# Altium PCB LinuxMini_ExtraBoard.PcbDoc (part 3 of 3)
Units mil, origin at the board's own origin, x right, y up, seen from the top; angles counter-clockwise.
Board outline 8065 x 5740 mil, 2 copper layers (Top Layer, Bottom Layer); 249 components, 216 nets, 879 pads, 804 vias.
Unrouted connection lines stored in the file: 73.
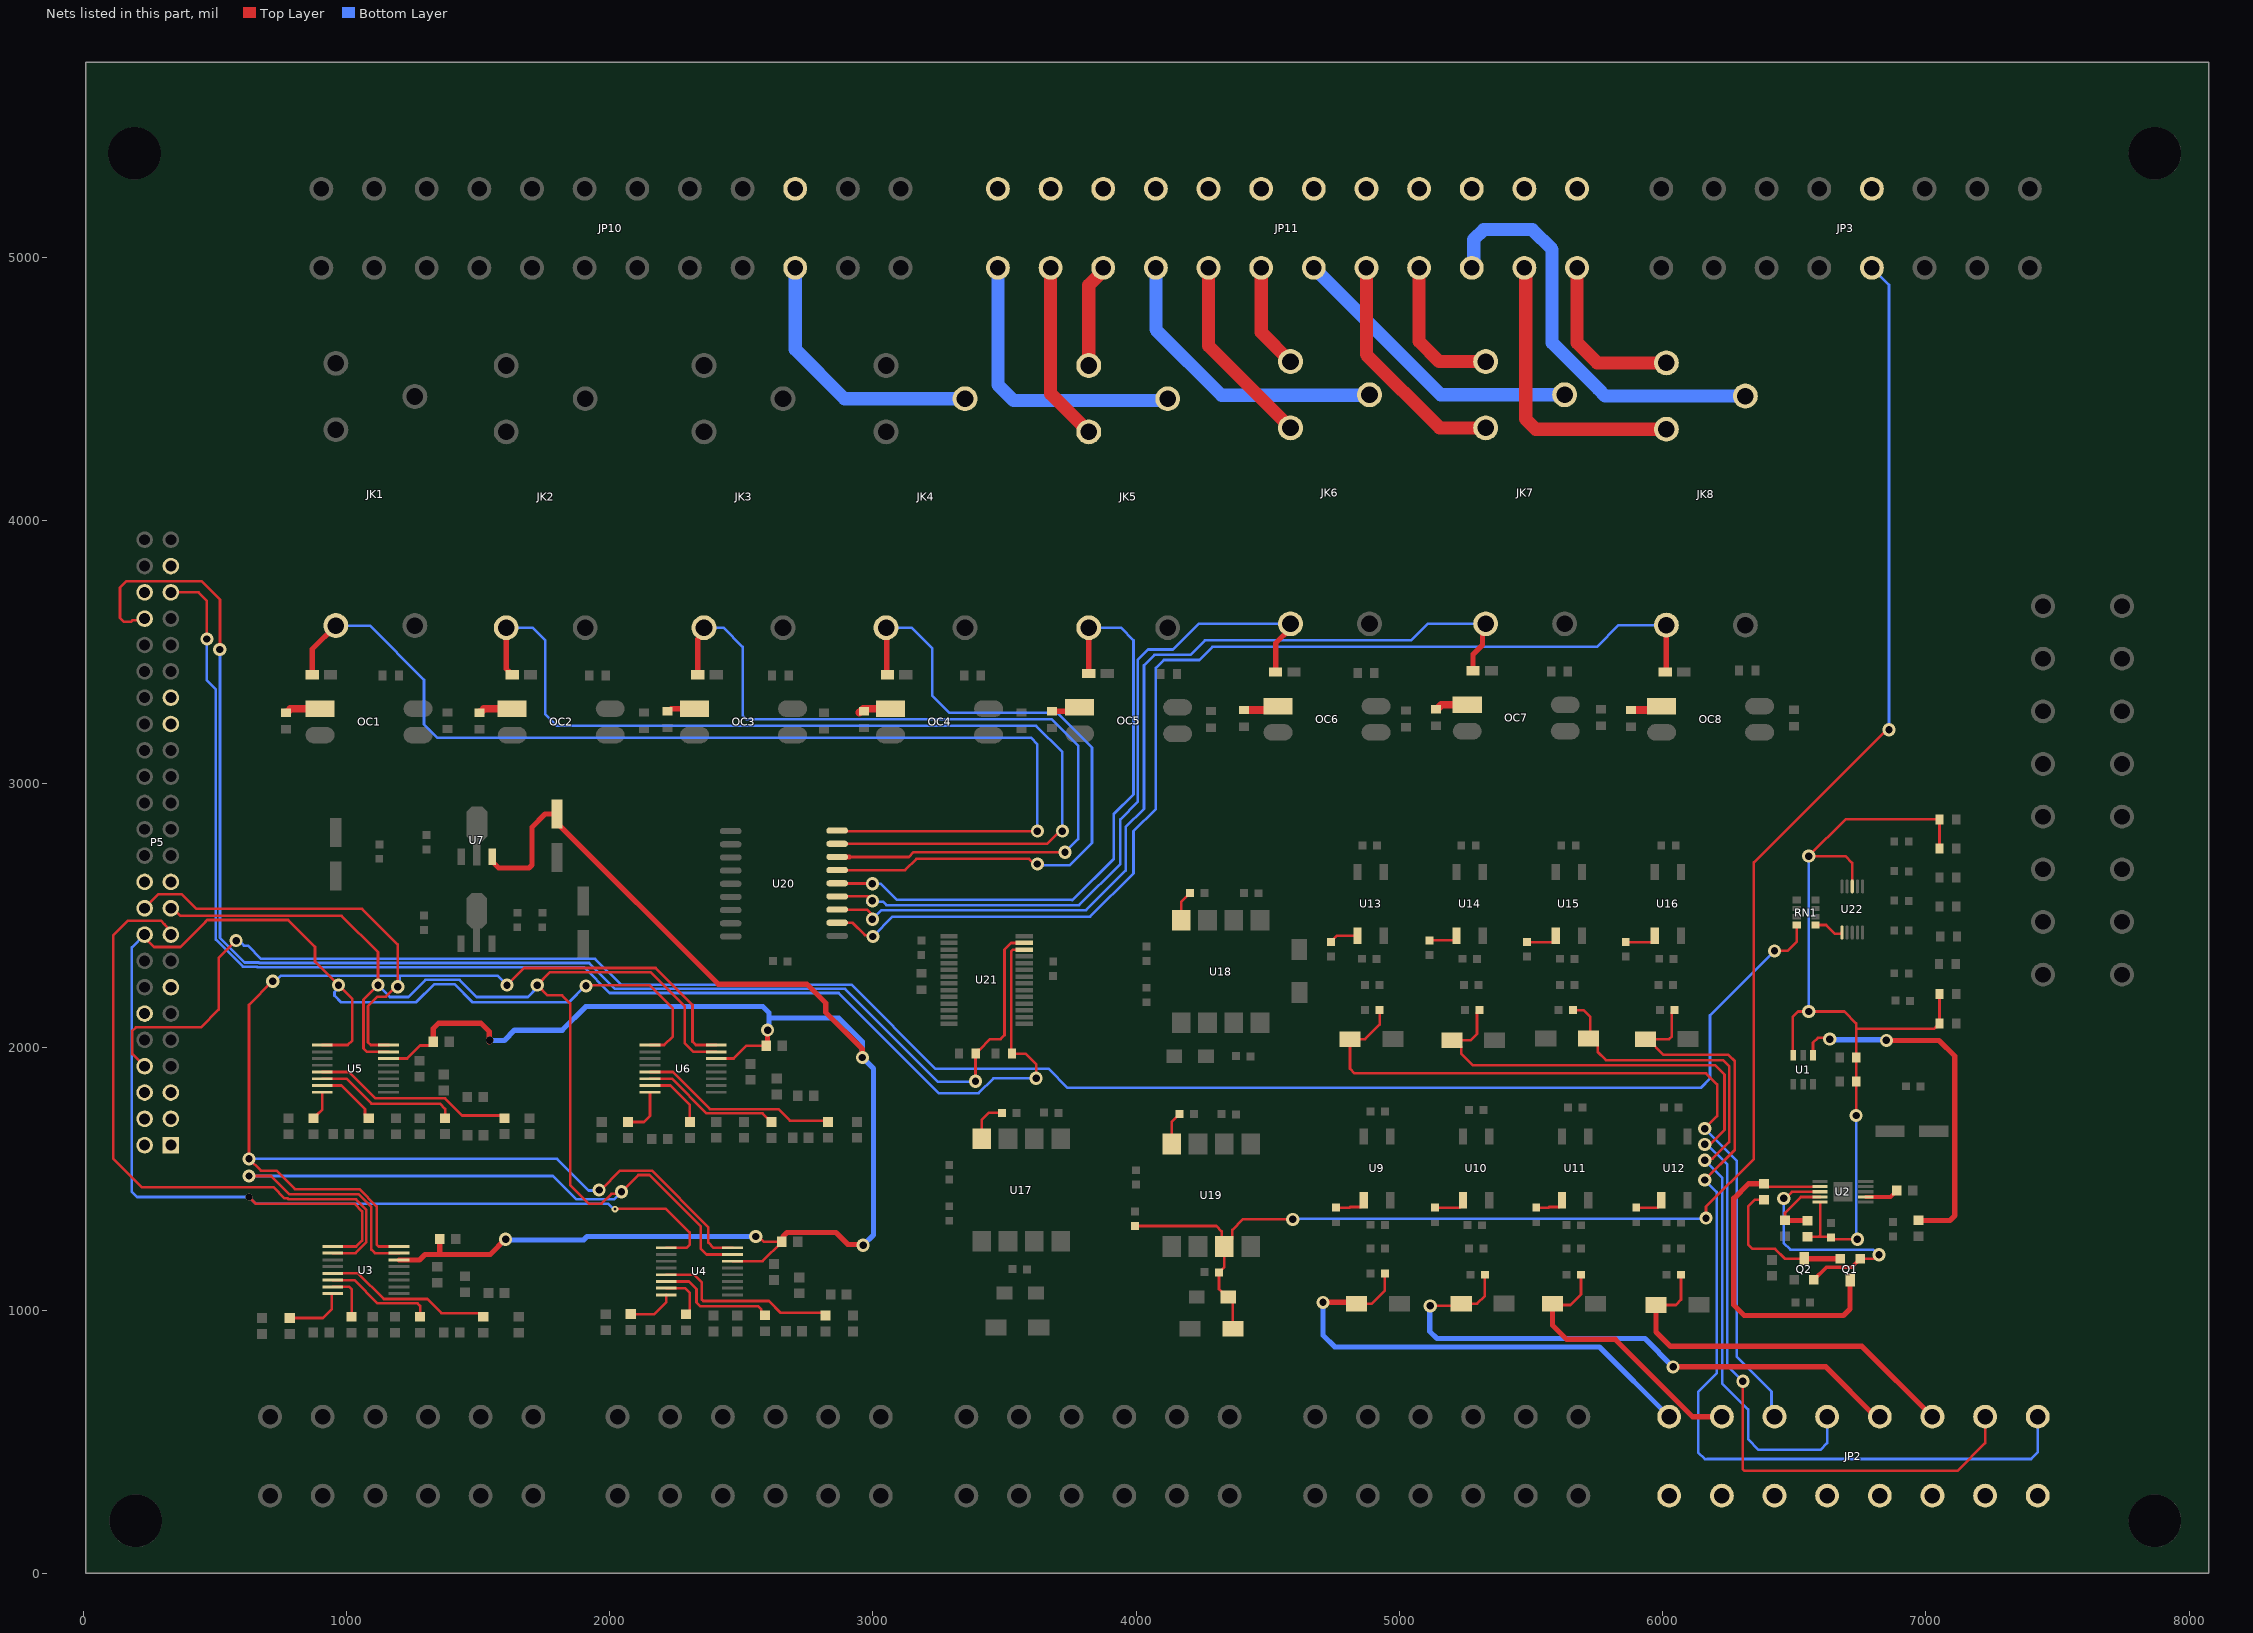
[diagram p3: the nets of this part, all layers, seen from the top]

## Via types
v1: diameter 20, hole 8, Top Layer to Bottom Layer, 497 vias
v2: diameter 50, hole 28, Top Layer to Bottom Layer, 155 vias
v3: diameter 25, hole 12, Top Layer to Bottom Layer, 142 vias
v4: diameter 28, hole 28, Top Layer to Bottom Layer, 4 vias
v5: diameter 17, hole 10, Top Layer to Bottom Layer, 2 vias
v6: diameter 18, hole 10, Top Layer to Bottom Layer, 2 vias
v7: diameter 25, hole 10, Top Layer to Bottom Layer, 1 vias
v8: diameter 50, hole 25, Top Layer to Bottom Layer, 1 vias

## Nets (pads, with @x,y where several pads share a name; then routed paths per layer and width w, separated by ;. In a path a pad name is that pad's centre, name@x,y a point inside that pad or via, vN(x,y) a via of type N, cw(c..) or ccw(c..) an arc to the next point about the centre after c; other vN are vias at no path point) (continued)
NetJK4_5: JK4.5 JP10.3 | length 1032.6
  Bottom Layer w50: JP10.3@2705,4960 2705,4650 2892.24,4462.76 JK4.5@3350,4462.76
NetJK5_1: JK5.1 JP11.10 | length 394
  Top Layer w50: JK5.1@3820,4588.74 3820,4894.03 3875,4949.03 JP11.10@3875,4960
NetJK5_2: JK5.2 JP11.11 | length 683.3
  Top Layer w50: JP11.11@3675,4960 3675,4481.77 JK5.2@3820,4336.77
NetJK5_5: JK5.5 JP11.12 | length 1117.5
  Bottom Layer w50: JP11.12@3475,4960 3475,4515 3534.29,4455.71 4112.95,4455.71 JK5.5@4120,4462.76
NetJK6_1: JK6.1 JP11.7 | length 402.4
  Top Layer w50: JP11.7@4475,4960 4475,4715.17 JK6.1@4586.43,4603.74
NetJK6_2: JK6.2 JP11.8 | length 737.2
  Top Layer w50: JP11.8@4275,4960 4275,4663.2 JK6.2@4586.43,4351.77
NetJK6_5: JK6.5 JP11.9 | length 1150.5
  Bottom Layer w50: JP11.9@4075,4960 4075,4725 4324.29,4475.71 4884.38,4475.71 JK6.5@4886.43,4477.76
NetJK7_1: JK7.1 JP11.4 | length 564.4
  Top Layer w50: JP11.4@5075,4960 5075,4680 5151.26,4603.74 JK7.1@5327.86,4603.74
NetJK7_2: JK7.2 JP11.5 | length 898.1
  Top Layer w50: JP11.5@4875,4960 4875,4630 5153.23,4351.77 JK7.2@5327.86,4351.77
NetJK7_5: JK7.5 JP11.6 | length 1152.6
  Bottom Layer w50: JP11.6@4675,4960 5157.24,4477.76 JK7.5@5627.86,4477.76
NetJK8_1: JK8.1 JP11.1 | length 655.9
  Top Layer w50: JP11.1@5675,4960 5675,4675 5751.26,4598.74 JK8.1@6014.29,4598.74
NetJK8_2: JK8.2 JP11.2 | length 1127.2
  Top Layer w50: JP11.2@5475,4960 5480,4955 5480,4385 5518.23,4346.77 JK8.2@6014.29,4346.77
NetJK8_5: JK8.5 JP11.3 | length 1627.8
  Bottom Layer w50: JP11.3@5275,4960 5282.76,4967.76 5282.76,5067.76 5320,5105 5505,5105 5580,5030 5580,4675 5755.05,4499.95 5782.24,4472.76 JK8.5@6314.28,4472.76
NetOC1_1: OC1.1 R66.1 | length 136.2
  Top Layer w30: R66.1@770,3270 773.25,3270 788.25,3285 OC1.1@900,3285
NetOC2_1: OC2.1 R68.1 | length 131.2
  Top Layer w30: R68.1@1505,3270 1508.25,3270 1523.25,3285 OC2.1@1630,3285
NetOC3_1: OC3.1 R78.1 | length 107
  Top Layer w20: R78.1@2220,3275 2223.25,3275 2233.25,3285 OC3.1@2322.88,3285
NetOC4_1: OC4.1 R80.1 | length 125.1
  Top Layer w30: R80.1@2948.25,3270 2963.25,3285 OC4.1@3067.15,3285
NetOC5_1: OC5.1 R82.1 | length 111.9
  Top Layer w20: R82.1@3680,3275 3770.72,3275 OC5.1@3785.72,3290
NetOC6_1: OC6.1 R84.1 | length 135.5
  Top Layer w30: R84.1@4410,3280 4410.75,3280.75 4525.04,3280.75 OC6.1@4539.3,3295
NetOC7_1: OC7.1 R86.1 | length 124.9
  Top Layer w30: R86.1@5140,3282.99 5143.25,3282.99 5160.26,3300 OC7.1@5257.87,3300
NetOC8_1: OC8.1 R88.1 | length 122.7
  Top Layer w30: R88.1@5880,3280 5880.75,3280.75 5982.19,3280.75 OC8.1@5996.44,3295
NetQ1_1: Q1.1 Q2.2 U2.3 | length 985.6
  Top Layer w10: v2(6460,1425) 6466.68,1425 6491.62,1449.95 U2.3@6598.37,1449.95 ; Q1.1@6750,1195 6799.18,1195 6815.18,1211 v2(6822.17,1211)
  Top Layer w15: Q2.2@6575,1116.04 6622.25,1163.29 6718.29,1163.29 Q1.1@6750,1195
  Bottom Layer w10: v2(6460,1425) 6460,1255 6485,1230 6799.14,1230 6818.14,1211 v2(6822.17,1211)
NetQ1_2: Q1.2 Q2.3 R3.2 | length 587.9
  Top Layer w10: R3.2@6385,1419.37 6349.37,1419.37 6325,1395 6325,1250 6341.73,1233.27 6426.73,1233.27 6463.96,1196.04 Q2.3@6538,1196.04
  Top Layer w20: Q2.3@6538,1196.04 6538.52,1195.52 6674.48,1195.52 Q1.2@6675,1195
NetQ1_3: Q1.3 R3.1 U2.2 | length 1339.3
  Top Layer w10: R3.1@6385,1480 6395.37,1469.63 U2.2@6598.37,1469.63
  Top Layer w20: 6270.5,1425.5 6270,1425 6270,1020 6310,980 6687,980 6712,1005 Q1.3@6712,1115 ; 6271,1425 6326.63,1480.63 R3.1@6385,1480.63
NetR9_2: R9.2 U3.8 | length 235.2
  Top Layer w10: R9.2@785,970.63 910.63,970.63 945,1005 945,1062.72 945.51,1063.23 U3.8@948.03,1063.23
NetR10_2: R10.2 U4.8 | length 182.1
  Top Layer w10: R10.2@2080,985.63 2080.63,985 2170,985 2215,1030 U4.8@2215,1058.23
NetR11_2: R11.2 U3.7 | length 180.3
  Top Layer w10: U3.7@948.03,1088.82 1011.18,1088.82 1020,1080 R11.2@1020,975.32
NetR12_2: R12.2 U4.7 | length 184.6
  Top Layer w10: U4.7@2215,1083.82 2286.18,1083.82 2305,1065 2305,1000 2304.29,999.29 2304.29,998.31 2290.98,985 R12.2@2290,985
NetR13_2: R13.2 U3.6 | length 413.7
  Top Layer w10: U3.6@948.03,1114.41 1030.59,1114.41 1118.5,1026.5 1270,1026.5 1280,1016.5 R13.2@1280,975.32
NetR14_2: R14.2 U4.6 | length 463.7
  Top Layer w10: U4.6@2215,1109.41 2300.59,1109.41 2330,1080 2330,1030 2345,1015 2565,1015 2575.71,1004.29 2575.71,993.94 2589.02,980.63 R14.2@2590,980.63
NetR15_2: R15.2 U3.5 | length 640.2
  Top Layer w10: U3.5@948.03,1140 1045,1140 1142.5,1042.5 1307.5,1042.5 1361.38,988.62 1506.69,988.62 R15.2@1520,975.32
NetR16_2: R16.2 U4.5 | length 706.8
  Top Layer w10: U4.5@2215,1135 2320,1135 2350,1105 2350,1040.86 2355.86,1035 2605,1035 2650,990 2810,990 R16.2@2820,980
NetR17_2: R17.2 U5.8 | length 113
  Top Layer w10: R17.2@875,1729.65 875.98,1729.65 889.29,1742.95 889.29,1743.94 908.37,1763.02 U5.8@908.37,1828.23
NetR18_2: R18.2 U6.8 | length 182.9
  Top Layer w10: R18.2@2070,1715 2130,1715 2153.37,1738.37 U6.8@2153.37,1828.23
NetR19_2: R19.2 U5.7 | length 240.6
  Top Layer w10: U5.7@908.37,1853.82 981.18,1853.82 1070.71,1764.29 1070.71,1742.95 1084.02,1729.65 R19.2@1085,1729.65
NetR20_2: R20.2 U6.7 | length 247.2
  Top Layer w10: U6.7@2153.37,1853.82 2231.18,1853.82 2305,1780 R20.2@2305,1715
NetR21_2: R21.2 U5.6 | length 549.5
  Top Layer w10: U5.6@908.37,1879.41 908.88,1879.92 962.74,1879.92 962.82,1880 1000,1880 1095,1785 1355,1785 1375,1765 R21.2@1375,1730
NetR22_2: R22.2 U6.6 | length 529.7
  Top Layer w10: U6.6@2153.37,1879.41 2236.8,1879.41 2368.21,1748 2581.02,1748 2614.02,1715 R22.2@2615,1715
NetR23_2: R23.2 U5.5 | length 764.1
  Top Layer w10: U5.5@908.37,1905 1010,1905 1110,1805 1375,1805 1440,1740 1590,1740 R23.2@1600,1730
NetR24_2: R24.2 U6.5 | length 755.2
  Top Layer w10: U6.5@2153.37,1905 2240,1905 2381,1764 2641,1764 2685,1720 2825.32,1720 R24.2@2830,1715.32
NetR26_2: R26.2 U9.1 | length 125.3
  Top Layer w10: R26.2@4760,1390 4811.09,1390 4813.16,1392.06 4854.25,1392.06 4865,1402.81 U9.1@4865,1417.77
NetR29_2: R29.2 U10.1 | length 126.7
  Top Layer w10: R29.2@5135,1390 5228.62,1390 5241.43,1402.81 U10.1@5241.43,1417.77
NetR34_2: R34.2 U11.1 | length 118.1
  Top Layer w10: R34.2@5520,1390 5567.52,1390 5569.59,1392.06 5607.11,1392.06 5617.86,1402.81 U11.1@5617.86,1417.77
NetR37_2: R37.2 U12.1 | length 114.6
  Top Layer w10: R37.2@5900,1390 5981.47,1390 5994.29,1402.81 U12.1@5994.29,1417.77
NetR42_2: R42.2 U13.1 | length 125.1
  Top Layer w10: R42.2@4740,2400 4762.77,2422.77 U13.1@4840.71,2422.77 U13.1@4840.71,2437.73
NetR45_2: R45.2 U14.1 | length 113.6
  Top Layer w10: R45.2@5115,2405 5206.39,2405 5217.14,2415.75 U14.1@5217.14,2422.77
NetR50_2: R50.2 U15.1 | length 126.8
  Top Layer w10: R50.2@5485,2398.23 5582.82,2398.23 5593.57,2408.98 U15.1@5593.57,2422.77
NetR54_2: R54.2 U16.1 | length 128.2
  Top Layer w10: R54.2@5860,2398.23 5959.25,2398.23 5970,2408.98 U16.1@5970,2422.77
ON_OFF: P5.2
REGF: C4.2 R1.2 R2.2 R5.1 R93.2 R94.2 R99.2 R100.2 U1.3 U2.5 U22.8 | length 3524.6
  Top Layer w10: U1.3@6496.61,1968.82 6495,1970.42 6495,2105 6494.14,2105.86 6494.14,2114.14 6515,2135 v2(6555,2135) 6690,2135 6735.49,2089.51 6735.49,2072.26 ; R5.1@6550,1279.37 6593.04,1279.37 ; U2.5@6598.36,1410.57 6598.36,1284.69 6593.04,1279.37 ; U22.8@6720.31,2610 6720.31,2699.68 6695,2725 v2(6555,2725) 6695,2865 R100.2@7052.01,2865 R99.2@7052.01,2754.29 ; v2(6735,1740) 6735,1869.4 R1.2@6735.49,1869.89 R2.2@6735.49,1959.89 6735.49,2072.26 ; v2(6740,1270) 6645.46,1270 C4.2@6639,1276.46 6636.09,1279.37 6593.04,1279.37 ; R94.2@7052.01,2200.71 R93.2@7052.01,2090 7052.01,2086.75 7041.26,2076 7038.01,2076 7031.01,2069 6738.74,2069 6735.49,2072.26
  Bottom Layer w10: v2(6555,2135) v2(6555,2725) ; v2(6735,1740) 6735,1275 v2(6740,1270)
REGS: R5.2 R6.1 U2.4 | length 272.8
  Top Layer w10: R6.1@6464.88,1341.2 6464.88,1369.88 6525.26,1430.26 U2.4@6598.37,1430.26
  Top Layer w20: R6.1@6464.88,1341.2 6465.48,1340.6 6549.4,1340.6 R5.2@6550,1340
RELY1: D5.2 JK1.3 U20.18 | length 4264.1
  Top Layer w10: U20.18@2864.38,2822 2866.38,2820 3620,2820 v2@3625,2825
  Top Layer w20: D5.2@870,3414 870,3510.9 JK1.3@960,3600.91
  Bottom Layer w10: JK1.3@960,3600.91 1089.09,3600.91 1295,3395 1295,3225 1345,3175 3600,3175 3625,3150 v2@3625,2825
  other v2: 3625,2820
RELY2: D6.2 JK2.3 U20.17 | length 3835.1
  Top Layer w10: U20.17@2864.38,2772 3662,2772 v2@3720,2830
  Top Layer w20: JK2.3@1607.14,3592.68 1607.14,3436.86 1620,3424 1620,3416.5 1622.5,3414 D6.2@1630,3414
  Bottom Layer w10: JK2.3@1607.14,3592.68 1707.68,3592.68 1755,3545.35 1755,3265 1800,3220 3620,3220 3720,3120 v2@3720,2830
  other v2: 3720,2820
RELY3: D7.2 JK3.3 U20.16 | length 3246.4
  Top Layer w10: 2910,2722 3137,2722 3155,2740 v2(3730,2740)
  Top Layer w20: D7.2@2335,3414 2335,3548.95 2358.57,3572.52 JK3.3@2358.57,3592.68 ; U20.16@2864.38,2722 2910,2722
  Bottom Layer w10: JK3.3@2358.57,3592.68 2432.32,3592.68 2505,3520 2505,3260 2520,3245 3680,3245 3780,3145 3780,2790 v2(3730,2740)
RELY4: D8.2 JK4.3 U20.15 | length 2691.2
  Top Layer w10: U20.15@2864.38,2672 3122,2672 3165,2715 3593.43,2715 3618.43,2690 v2@3625,2690 ; v2@3624.18,2697.65 v2@3637.35,2697.65 ; v2@3642.65,2700 3645,2697.65 v2@3637.35,2697.65 ; v2@3645,2690 v2@3637.35,2697.65
  Top Layer w20: JK4.3@3050,3592.68 3052.5,3590.18 3052.5,3416.5 D8.2@3055,3414
  Bottom Layer w10: JK4.3@3050,3592.68 3147.32,3592.68 3225,3515 3225,3335 3290,3270 3700,3270 3832.5,3137.5 3832.5,2775 3747.5,2690 3625,2690 v2@3620,2690
  other v2: 3625,2695
RELY5: D9.2 JK5.3 U20.14 | length 2367.1
  Top Layer w10: U20.14@2864.38,2622 2865.38,2621 2997,2621 v2(2998,2620)
  Top Layer w20: D9.2@3820,3419 JK5.3@3820,3592.68
  Bottom Layer w10: v2(2998,2620) 3030,2620 3090,2560 3755,2560 3757.5,2557.5 3915,2715 3915,2885 3990,2960 3990,3545 3942.32,3592.68 JK5.3@3820,3592.68
RELY6: D10.2 JK6.3 U20.13 | length 2835.2
  Top Layer w10: U20.13@2864.38,2572 v2@2997.18,2572 ; v2@2978,2555 v2@2988.82,2555 ; 2978,2572 v2@2995,2555
  Top Layer w20: D10.2@4530,3424 4530,3533.79 4586.43,3590.23 JK6.3@4586.43,3607.68
  Bottom Layer w10: v2@2978,2548.28 v2@2978,2555 ; v2(2998,2555) 3001,2552 3038,2552 3051.5,2538.5 3783.5,2538.5 3940,2695 3940,2865 4006,2931 4006,3470.56 4045.44,3510 4140,3510 4237.68,3607.68 JK6.3@4586.43,3607.68
RELY7: D11.2 JK7.3 U20.12 | length 3575.2
  Top Layer w10: U20.12@2864.38,2522 2978,2522 v2@3015,2485
  Top Layer w20: D11.2@5280,3429 5280,3491.5 5315.52,3527.02 5315.52,3595.34 JK7.3@5327.86,3607.68
  Bottom Layer w10: v2(2998,2485) 3033,2520 3810,2520 3960,2670 3960,2835 4030,2905 4030,3450 4070,3490 4206.21,3490 4261.21,3545 5045,3545 5107.68,3607.68 JK7.3@5327.86,3607.68
RELY8: D12.2 JK8.3 U20.11 | length 4250
  Top Layer w10: U20.11@2864.38,2472 2923,2472 2970,2425 2995,2425 v2(3000,2420)
  Top Layer w20: D12.2@6010,3424 6011.79,3424 6014.29,3426.5 JK8.3@6014.29,3602.68
  Bottom Layer w10: v2(3000,2420) 3075,2495 3825,2495 3990,2660 3990,2820 4075,2905 4075,3440 4105,3470 4240,3470 4290,3520 5750,3520 5832.68,3602.68 JK8.3@6014.29,3602.68
SCLK: RN1.1 U22.1 | length 118.3
  Top Layer w10: RN1.1@6580.86,2463.51 6621.49,2463.51 6655,2430 6680.11,2430 6680.94,2430.84 U22.1@6680.94,2434.8
SET: R7.2 U2.7 | length 129.2
  Top Layer w15: U2.7@6771.66,1430.26 6865.26,1430.26 6878.21,1443.21 6879.19,1443.21 6890,1454.02 R7.2@6890,1455
SNVS_TAMPER0: P5.3
SNVS_TAMPER2: P5.8 RN1.8 | length 7398.8
  Top Layer w10: P5.8@233.39,1927.05 187,1973.43 187,2062 200,2075 447.5,2075 515,2142.5 515,2338 v2(581,2404) ; v2(6425,2365) 6475,2365 6510,2400 RN1.8@6510,2463.51
  Bottom Layer w10: v2(581,2404) 591.82,2404 610.89,2384.93 625.57,2384.93 675.5,2335 1945.15,2335 2043.15,2237 2918,2237 3238,1917 3668.15,1917 3740.15,1845 6144.85,1845 6180,1880.15 6180,2120 v2(6425,2365)
SNVS_TAMPER4: P5.1
SNVS_TAMPER5: P5.6
SNVS_TAMPER7: P5.5
SNVS_TAMPER8: P5.4
UART1_RXD: P5.13
UART1_TXD: P5.12
UART2_CTS: P5.20 U3.16 U4.16 U5.16 U6.16 | length 7161.3
  Top Layer w10: P5.20@233.39,2527.05 P5.20@233.39,2528.39 ; P5.20@233.39,2541.39 P5.20@233.39,2528.39 ; v2(720,2250) 630,2160 v2(630,1575) 675,1530 735,1530 805,1460 1050,1460 1115,1395 1115,1250 1122.64,1242.36 U3.16@1200,1242.36 ; U5.16@1160.34,2007.36 1092.64,2007.36 1082.25,2017.75 1082.25,2155 1118.42,2191.17 1151.17,2191.17 1189,2229 v2(1195,2229) ; v2@1192,2232 1195,2235 1195,2390 1060,2525 430,2525 375,2580 285,2580 P5.20@233.39,2528.39 ; v2(1610,2235) 1675,2300 2175,2300 2315,2160 2315,2020 2327.64,2007.36 U6.16@2405.34,2007.36 ; v2(1960,1457) 1967,1457 2040,1530 2160,1530 2375,1315 2375,1257.36 2395,1237.36 U4.16@2466.97,1237.36
  Bottom Layer w10: v2(630,1575) 1800,1575 1920,1455 1958,1455 v2(1960,1457) ; v2(720,2250) 730.43,2250 751.43,2271 1205,2271 ; v2(1195,2229) 1202.65,2236.65 1202.65,2268.65 1205,2271 ; v2(1610,2235) 1574,2271 1205,2271
UART2_RTS: P5.19 U3.15 U4.15 U5.15 U6.15 | length 6914.3
  Top Layer w10: P5.19@333.39,2527.05 341.96,2527.05 370.55,2498.45 981.55,2498.45 1120,2360 v2(1120,2235) 1065,2180 1065,1995 1078.23,1981.77 U5.15@1160.34,1981.77 ; v2(630,1510) 714.5,1510 784.5,1440 1047.37,1440 1095,1392.37 1095,1230 1108.23,1216.77 U3.15@1200,1216.77 ; U6.15@2405.34,1981.77 2318.23,1981.77 2285,2015 2285,2155 2156,2284 1774,2284 v2(1725,2235) 1763.83,2196.17 1818.83,2196.17 1850,2165 1850,1475 1920,1405 1969.18,1405 2006.52,1442.35 2037.35,1442.35 v2(2045,1450) 2109,1514 2151,1514 2346.43,1318.57 2346.43,1233.57 2368.23,1211.77 U4.15@2466.97,1211.77
  Bottom Layer w10: v2(630,1510) 1785,1510 1874,1421 2016,1421 v2(2045,1450) ; v2(1120,2235) 1165,2190 1235,2190 1300,2255 1430,2255 1495,2190 1689.14,2190 1725,2225.86 v2(1725,2235)
UART2_RXD: P5.18 U3.1 U4.1 U5.1 U6.1 | length 6967.1
  Top Layer w10: P5.18@233.39,2427.05 233.39,2416.61 270,2380 370,2380 465,2475 465,2476.6 470.86,2482.45 778.46,2482.45 880.74,2380.17 880.74,2324.26 v2(970,2235) 1022.5,2182.5 1022.5,2024.93 1004.94,2007.36 U5.1@908.37,2007.36 ; v4(630,1430) 655,1405 1030,1405 1060,1375 1060,1265 1037.36,1242.36 U3.1@948.03,1242.36 ; v2(1910,2232) 1913,2235 2151.01,2235 2240,2146.01 2240,2040 2207.36,2007.36 U6.1@2153.37,2007.36 ; v7(2020.41,1384.41) 2021,1385 2213.79,1385 2303.68,1295.11 2303.68,1248.68 2292.36,1237.36 U4.1@2215,1237.36
  Bottom Layer w10: P5.18@233.39,2427.05 185,2378.66 185,1450 205,1430 v4(630,1430) 655,1405 1994.55,1405 2015.15,1384.41 v7(2020.41,1384.41) ; v2(970,2235) 970,2224.18 955,2209.18 955,2195 980,2170 1265,2170 1334,2239 1410,2239 1479,2170 1845,2170 1907,2232 v2(1910,2232)
UART2_TXD: P5.17 U3.2 | length 2431.2
  Top Layer w10: P5.17@333.39,2427.05 333.39,2441.39 309.1,2465.67 309.1,2465.9 295,2480 170,2480 115,2425 115,1575 222.5,1467.5 722.5,1467.5 765,1425 776.87,1425 780.87,1421 1036.63,1421 1076,1381.63 1076,1258.37 1034.4,1216.77 U3.2@948.03,1216.77
UART3_CTS: P5.21
UART3_RTS: P5.22
UART3_RXD: P5.35
UART3_TXD: P5.33
UART4_RXD: P5.42 R90.1 U21.13 | length 5678.5
  Top Layer w10: P5.42@233.39,3627.05 227.23,3620.89 186.89,3620.89 181,3615 155,3615 140,3630 140,3745 164.54,3769.54 450.46,3769.54 520,3700 520,3511 v2(519,3510) ; v2(3390,1870) 3390,1974.55 R90.1@3390.43,1974.98 3390.43,1978.23 3401.18,1988.98 3404.43,1988.98 3445.45,2030 3485,2030 3500,2045 3500,2370 3525.31,2395.31 U21.13@3575,2395.31
  Bottom Layer w10: v2(519,3510) 520,3509 520,2414.09 613.09,2321 666.63,2321 668.63,2319 1922,2319 2020,2221 2895,2221 3248.1,1867.9 3387.9,1867.9 v2(3390,1870)
UART4_TXD: P5.43 R91.1 U21.12 | length 5435.4
  Top Layer w10: P5.43@333.39,3727.05 437.95,3727.05 470,3695 v2(470,3550) ; U21.12@3575,2369.72 3531.86,2369.72 3526,2363.87 3526,1977.41 R91.1@3528.43,1974.98 3580.02,1974.98 3620,1935 v2(3620,1881)
  Bottom Layer w10: v2(470,3550) 470,3392.63 503.73,3358.9 503.73,2407.73 606.46,2305 660,2305 662,2303 1902,2303 2000,2205 2870,2205 3250,1825 3401.59,1825 3457.59,1881 v2(3620,1881)
UART5_RXD: P5.44
UART5_TXD: P5.45
VCC: C10.1 C14.1 C30.1 C35.1 C48.1 U3.14 U4.14 U5.14 U6.14 U7.3 | length 7334.2
  Top Layer w10: U5.14@1160.34,1956.18 1230.94,1956.18 1280.46,2005.71 1316.69,2005.71 1330,2019.02 C30.1@1330,2020 ; U6.14@2405.34,1956.18 2471.18,1956.18 2520,2005 C35.1@2595,2005 ; U4.14@2466.97,1186.18 2581.54,1186.18 2654.37,1259.02 C14.1@2654.37,1260 2585.82,1260 2565.82,1280 v2(2555,1280)
  Top Layer w20: U3.14@1200,1191.18 1277.78,1191.18 1298.3,1211.7 1546.7,1211.7 v2(1605,1270) ; C30.1@1330,2020 1330,2070 1350,2090 1511,2090 1542.5,2058.5 v4@1542.5,2020 ; 1354.37,1212.33 C10.1@1354.37,1270 ; U7.3@1554.06,2722.61 1554.06,2704.9 1578.95,2680 1693.28,2680 1705,2691.72 1705,2835 1755,2885 C48.1@1800,2885 1800,2851.54 2413.04,2238.5 2750,2238.5 2821.05,2167.45 2821.05,2130.96 2960,1992.02 v2(2960,1960) ; 2600,2025 v2(2600,2064) ; C14.1@2654.37,1260 2659.08,1264.71 2659.08,1280 2674.37,1295.29 2739.93,1295.29 2740.23,1295 2860,1295 2905,1250 2960,1250 v2(2962.98,1247.02)
  Bottom Layer w20: v4(1545,2025) 1600,2025 1639,2064 1820,2064 1909.5,2153.5 2581.5,2153.5 2605,2130 2605,2110 ; v2(1605,1270) 1608.5,1266.5 1901.19,1266.5 1914.69,1280 v2(2555,1280) ; v2(2600,2064) 2605,2069 2605,2110 ; v2(2962.98,1247.02) 3002,1286.03 3002,1918 v2(2960,1960) 2960,2020 2870,2110 2605,2110
Vout: R4.2 U1.1 | length 1423.6
  Top Layer w10: U1.1@6571.4,1968.82 6571.4,2016.4 6590,2035 6630,2035 v2(6635,2030)
  Top Layer w20: v2(6850,2025) 7050,2025 7110,1965 7110,1360 7091.2,1341.2 R4.2@6972.04,1341.2
  Bottom Layer w10: v2(6635,2030) 6685,2030
  Bottom Layer w20: v2(6635,2030) 6637.5,2027.5 6847.5,2027.5 v2(6850,2025)
X10: JP2.1 R25.1 TVS1.2 | length 1891.3
  Top Layer w10: TVS1.2@4837.56,1024.49 4894.49,1024.49 4945,1075 R25.1@4945,1140
  Top Layer w20: v2(4710,1030) 4832.05,1030 TVS1.2@4837.56,1024.49
  Bottom Layer w20: v2(4710,1030) 4710,905 4755,860 5760.64,860 JP2.1@6025,595.64
X11: JP2.2 R33.1 TVS3.2 | length 1069.8
  Top Layer w10: TVS3.2@5582,1024.49 5586.49,1020 5650,1020 5690,1060 R33.1@5690,1135
  Top Layer w20: TVS3.2@5582,1024.49 5582,943 5635,890 5819.64,890 6114,595.64 JP2.2@6225,595.64
X12: JP2.3 R41.1 TVS5.2 | length 3113.6
  Top Layer w10: R41.1@4925,2140 4925,2085 4869.49,2029.49 TVS5.2@4812.56,2029.49 4812.56,1917.44 4830,1900 6165,1900 6207.5,1857.5 6207.5,1737.5 v2(6160,1690)
  Bottom Layer w10: v2(6160,1690) 6281.57,1568.43 6281.57,823.43 6413.43,691.57 6413.43,607.21 JP2.3@6425,595.64
X13: JP2.4 R49.1 TVS7.2 | length 2734
  Top Layer w10: R49.1@5660,2140 5700,2140 5725,2115 5725,2038.91 TVS7.2@5718.6,2032.51 5728.6,2032.51 5753.6,2007.51 5753.6,1981.4 5785,1950 6230,1950 6253.03,1926.97 6253.03,1638.89 6190,1575.86 6165.86,1575.86 v2(6160,1570)
  Bottom Layer w10: v2@6160,1585 v2(6160,1570) 6226,1504 6226,722.28 6325,623.28 6325,510 6365,470 6599.14,470 6625,495.86 JP2.4@6625,595.64
X14: JP2.5 R28.1 TVS2.2 | length 2245.6
  Top Layer w10: v2(5117.29,1016.69) 5226.69,1016.69 TVS2.2@5235,1025 5295,1025 5325,1055 R28.1@5325,1135
  Top Layer w20: v2(6040,785) 6620,785 6809.36,595.64 JP2.5@6825,595.64
  Bottom Layer w20: v2(5117.29,1016.69) 5115,1014.4 5115,920 5142.5,892.5 5932.5,892.5 v2(6040,785)
X15: JP2.6 R36.1 TVS4.2 | length 1483.9
  Top Layer w10: TVS4.2@5975,1020 6050,1020 6070,1040 R36.1@6070,1135
  Top Layer w20: TVS4.2@5975,1020 5975,917.82 6030,862.82 6757.82,862.82 JP2.6@7025,595.64
X16: JP2.7 R44.1 TVS6.2 | length 3972.4
  Top Layer w10: TVS6.2@5199.56,2025.49 TVS6.2@5209.56,2025.49 ; R44.1@5305,2140 5295,2130 5295,2050 5270.49,2025.49 TVS6.2@5209.56,2025.49 ; v2(6160,1630) 6180,1630 6235,1685 6235,1895 6200,1930 5280,1930 5234.56,1975.44 5234.56,2000.49 TVS6.2@5209.56,2025.49 ; v2(6305,730) 6305,395.86 6310.86,390 7120,390 7225,495 JP2.7@7225,595.64
  Bottom Layer w10: v2@6160,1640 6245,1555 6245,790 v2(6305,730)
X17: JP2.8 R53.1 TVS8.2 | length 3597.6
  Top Layer w10: TVS8.2@5934.15,2029.49 TVS8.2@5944.15,2029.49 ; R53.1@6045,2130 6035,2130 6035,2040 6024.49,2029.49 TVS8.2@5944.15,2029.49 ; v2(6160,1495) 6274,1609 6274,1946 6250,1970 6003.63,1970 TVS8.2@5944.15,2029.49
  Bottom Layer w10: v2(6160,1495) 6205,1450 6205,760 6135,690 6135,460 6160.86,434.14 6169.14,434.14 6170,435 7400,435 7425,460 JP2.8@7425,595.64
XC00: R58.2 U17.8 | length 159.4
  Top Layer w10: U17.8@3413.35,1651.63 3413.35,1723.35 3440,1750 R58.2@3490,1750
XC01: R61.2 U18.8 | length 117.5
  Top Layer w10: U18.8@4170.85,2481.63 4170.85,2550.85 R61.2@4205,2585
XC02: R64.2 U19.8 | length 125.8
  Top Layer w10: U19.8@4135,1631.63 4135,1715 R64.2@4165,1745
Z: C65.1 D4.2 JP3.4 R65.1 TVS11.1 U19.3 | length 6570.2
  Top Layer w10: R65.1@3995,1320 4305,1320 4325,1300 4325,1251.87 U19.3@4335,1241.87 ; TVS11.1@4367.44,930 4367.44,1032.56 D4.2@4350,1050 4345,1050 4315,1080 C65.1@4315,1144 4335,1164 U19.3@4335,1241.87 ; v2(4595,1345) 4405,1345 4365.43,1305.43 4365.43,1272.3 U19.3@4335,1241.87 ; v2(6165,1350) 6165,1394 6346.46,1575.46 6346.46,2701.46 6850,3205 v2(6860,3205)
  Bottom Layer w10: v2(4595,1345) 4597.5,1347.5 6162.5,1347.5 v2(6165,1350) ; JP3.4@6795,4960 6860,4895 v2(6860,3205)
pads on no net: JP1.7 JP1.8 JP3.8 P5.23 P5.24 P5.25 U2.8 U3.3 U3.4 U4.3 U4.4 U5.3 U5.4 U6.3 U6.4 U17.7 U18.7 U19.7 U21.11 U21.14 U21.19 U21.20

## Polygon pours and split planes (outlines as drawn)
BGND on Top Layer "BGND_L01_P039" (solid, remove dead copper, pour order 39): 1430,2610 1435,2615 2115,2615 2555,2175 2550,2170 1295,2170 1295,2590 1320,2615 1430,2615
GND_RELY on Top Layer "GND_RELY_L01_P000" (solid, remove dead copper, pour order 0): 700,3180 6087.52,3180 6095,3184 6560,3184 6560,5740 700,5740
GND on Top Layer "GND_L01_P028" (solid, remove dead copper, pour order 28): 625,1310 1695,1310 1695,1185 610,1185 610,1305 605,1310 610,1315 625,1315
GND on Top Layer "GND_L01_P029" (solid, pour order 29): 1955,1290 1945,1280 1945,1140 2985,1140 2990,1135 2990,1310 1960,1310 1945,1295 1945,1255
GND on Top Layer "GND_L01_P031" (solid, pour order 31): 1945,2090 1955,2080 3000,2080 3000,1840 2740,1840 2649.41,1930.59 2467.65,1930.59 2467.65,1922.65 2385,1840 1945,1840
BGND on Top Layer "BGND_L01_P006" (solid, pour order 6): 2395,1810 1880,1810 1880,1570 2895,1570 3027.63,1585.37 3060,1850 2943.31,1803.31 2351.44,1803.31
GND on Top Layer "GND_L01_P030" (solid, remove dead copper, pour order 30): 770,2110 1755,2110 1755,1930 1110,1930 1070,1890 1060,1900 755,1900 755,2105 750,2110 755,2115 785,2115
BGND on Top Layer "BGND_L01_P022" (solid, pour order 22): 601.27,1065 605,1068.73 605,1170 905,1170 902.66,1167.66 902.66,1065 606.27,1065 601.27,1070
BGND on Top Layer "BGND_L01_P007" (solid, pour order 7): 1790,1845 1790,1595 705,1595 705,1845
BGND on Top Layer "BGND_L01_P009" (solid, pour order 9): 3020,1065 3020,800 2925,790 2900,785 1915,800 1895,800 1895,1065 2670,1065
BGND on Top Layer "BGND_L01_P005" (solid, remove dead copper, pour order 5): 1730,1070 1730,804.29 1660,785 1605.71,790 565,790 565,1070
BGND on Top Layer "BGND_L01_P008" (solid, pour order 8): 1645,1075 1645,790 545,790 545,1065 1370,1065 1380,1075
GND on Bottom Layer "GND_L02_P040" (solid, remove dead copper, pour order 40): 7645,5740 7645,5092.5 7680,5057.5 7690,5067.5 8065,5067.5 8065,462.5 8050,447.5 7565,447.5 7565,7.5 7550,22.5 430,22.5 430,467.5 405,442.5 0,442.5 0,5102.5 30,5132.5 475,5132.5 475,5740
GND on Bottom Layer "GND_L02_P038" (solid, pour order 38): 215,3635 565,3635 565,1415 545,1395 510,1430 160,1430 160,3425 200,3465 200,3650
BGND on Bottom Layer "BGND_L02_P034" (solid, remove dead copper, pour order 34): 705,2165 705,1375 535,1375 535,10 545,0 5800,0 5800,690 5615,875 3150,875 3150,2120 3025,2245 3010,2230 705,2230 705,2130 700,2125
GND on Bottom Layer "GND_L02_P026" (solid, remove dead copper, pour order 26): 1950,2090 1955,2085 2990,2085 2990,1855 2995,1850 2985,1840 1945,1840 1945,2085
GND on Bottom Layer "GND_L02_P027" (solid, remove dead copper, pour order 27): 2365,1150 2360,1145 1945,1145 1945,1265 1960,1250 2600,1250 2600,1290 2625,1315 2965,1315 2990,1290 2990,1150 2305,1150 2300,1145
GND on Bottom Layer "GND_L02_P025" (solid, remove dead copper, pour order 25): 765,2110 770,2105 1745,2105 1745,1865 1735,1855 1690,1900 760,1900 760,2105
GND on Bottom Layer "GND_L02_P024" (solid, pour order 24): 620,1310 1690,1310 1690,1165 1670,1185 610,1185 610,1300
GND on Bottom Layer "GND_L02_P023" (solid, pour order 23): 615,1305 620,1310 1690,1310 1690,1165 1670,1185 610,1185 610,1305
GND_RELY on Bottom Layer "GND_RELY_L02_P001" (solid, remove dead copper, pour order 1): 705,5570 705,3255 6455,3255 6455,5570

## Keep-outs
Keep-Out Layer:
  lines w10: 0,5570 10,5580 ; 10,0 8075,0 8075,5740 10,5740 10,0

## Other copper
Top Layer:
  pour cut-out: 6311,2629 6372.78,2629 6372.78,1577.78 6358.25,1563.25 6311.31,1563.25 6311.31,2628.69
  pour cut-out: 6606.22,3166.07 6615.15,3175 6695,3175 6695,3165 6280,2750 6280,2515 6221.22,2515 6266.22,2560 6266.22,2763.78 6260,2770 6600,3110 6600,3175 6690,3175
  pour cut-out: 5295,1930 6245,1930 6245,1895 6235,1885 6245,1875 6245,1650 6197.69,1650 6188.91,1641.22 6182.11,1648.01 6182.11,1692.11 6205,1715 6205,1880 6200.86,1880 6172.93,1907.93 6165,1900 5300,1900 5300,1920 5295,1925
  pour cut-out: 6160,1625 6165,1630 6275,1630 6275,1540 6240,1505 6165,1505 6165,1620
  pour cut-out: 6236.22,1420.35 6243.29,1420.35 6256.44,1433.51 6270,1419.96 6270,990 6278.69,990 6303.76,964.93 6298.83,960 6230,960 6230,1414.14
  pour cut-out: 1370,835 1370,765.92 1492.17,643.75 1494.01,645.6 1523.39,645.6 1523.39,783.39 1530,790 1480,840 1385,840
  pour cut-out: 1515,2410 1505,2400 1505,2335 1820,2335 1825,2340 1820,2345 1820,2440 1522.24,2440 1517.68,2444.56 1513.78,2444.56
  pour cut-out: 2000.38,2628.09 2039.84,2628.09 2445.74,2222.19 2744.74,2222.19 2744.74,2200.25 2748.58,2196.41 2416.41,2196.41 2410,2190 2005.14,2594.86 2005.14,2616.53 2011.91,2623.31
  pour cut-out: 1815,1505 1825,1515 2355,1515 2355,1280 2340,1295 1820,1295 1820,1515 1865,1515
  pour cut-out: 1875,1310 1880,1305 1895,1305 1895,840 1870,815 1865,820 1865,1305 1880.99,1305 1884.8,1308.8
  pour cut-out: 6590,2705 6585,2710 6585,2715 6690,2715 6710,2695 6710,2650 6700,2640 6695,2645 6695,2665 6670,2690 6585,2690 6585,2715
Bottom Layer:
  pour cut-out: 1240,2920 1370,2920 1405,2885 1405,2650 2050,2650 2110,2590 2110,2385 1230,2385 1235,2390 1235,2925
  pour cut-out: 590,1390 195,1390 155,1430 155,2405 185,2405 190,2400 190,1435 600,1435 615,1420 615,1410 610,1410
  pour cut-out: 3025,2245 3080,2245 3205,2120 3205,925 3185,905 3195,895 5625,895 5665,855 5635,825 3130,825 3130,845 3085,890 3120,925 3120,2150
  pour cut-out: 694.87,2275.78 705,2265.66 705,1375 702.5,1372.5 527.5,1372.5 527.5,1392.5 545,1410 680,1410 680,2275 680.78,2275.78
  pour cut-out: 6460,5740 6500,5740 6500,3225 6460,3265
  pour cut-out: 665.01,5740 700,5740 700,3145 660,3185
  pour cut-out: 5705,840 5830,715 5830,0 5825,5 5805,5 5805,690 5665,830 5665,845 5695,845 5700,840
  pour cut-out: 475,1375 530,1375 525,1370 525,0 470,0 455,15 480,40 480,1365
  pour cut-out: 525,3485 560,3485 570,3475 570,2395 560,2385 530,2415 515,2415 515,3475
  pour cut-out: 5420,2900 5420,2855 4150,2855 4115,2890 4050,2825 4050,2790 4095,2790 4100,2785 4170,2855 4170,2860 4200,2860
  pour cut-out: 3019.5,2552 3867,2552 3840,2525 3840,2473.79 2999.5,2473.79 2999.5,2553.5 3033.5,2553.5 3040,2560
  pour cut-out: 4015,3240 4065,3240 4065,2620 3890,2445 3855,2445 3855,2465 3775,2545 3915,2685 3915,2915 4010,3010 4010,3230
  pour cut-out: 3165,3065 3170,3060 3195,3060 3195,2685 3265,2615 3185,2615 3185,2625 3165,2645 3165,3070 3180,3070
  pour cut-out: 565,3680 575,3670 635,3670 635,3180 620,3165 610,3175 540,3175 540,3660 555,3675
  pour cut-out: 6526.49,5483.78 6526.49,3255.49 6530,3251.98 6530,3230 6535,3230 6530,3235 6530,5489.33 6529.33,5490
  pour cut-out: 6529.47,3252.51 6530,3251.98 6530,3205 720,3205 669.98,3255.02

## Silkscreen, mask and mechanical layers (free items; w line width, h text height)
Top Overlay:
  lines w10: 35,1865 180,1865 ; 35,1995 180,1995 ; 35,3690 185,3690 ; 40,1745 185,1745 ; 40,2365 185,2365 ; 40,2580 185,2580 ; 40,3175 185,3175 ; 40,3375 185,3375 ; 40,3785 185,3785 ; 40,3880 185,3880 ; 45,3280 185,3280 ; 45,3480 180,3480 ; 45,3580 185,3580 ; 50,2480 180,2480 ; 183.39,3977.05 42.05,3977.05 30,3965 30,1560 45,1575 185,1575 ; 380,1785 550,1785 ; 380,2590 550,2590 ; 380,3285 555,3285 ; 380,3475 545,3475 ; 380,3585 555,3585 ; 383.39,1577.05 537.05,1577.05 555,1595 555,3985 547.05,3977.05 383.39,3977.05 ; 385,1880 550,1880 ; 385,1970 545,1970 ; 385,2370 550,2370 ; 385,2480 550,2480 ; 385,3180 555,3180 ; 385,3375 545,3375 ; 385,3685 550,3685 ; 385,3785 550,3785 ; 385,3885 550,3885 ; 985,5425 985,5740 ; 1170,5425 1170,5740 ; 1370,5425 1370,5735 ; 1590,5425 1590,5740 ; 1780,5420 1780,5740 ; 1965,5420 1965,5735 ; 2185,5425 2185,5730 ; 2390,5420 2390,5735 ; 2590,5420 2590,5740 ; 2800,5425 2800,5735 ; 2995,5415 2995,5740 ; 3210,5420 3210,5730 ; 3555,5425 3555,5740 ; 3735,5420 3735,5740 ; 3945,5420 3945,5740 ; 4155,5425 4155,5735 ; 4340,5425 4340,5735 ; 4530,5420 4530,5735 ; 4755,5420 4755,5745 ; 4975,5425 4975,5740 ; 5170,5425 5170,5740 ; 5385,5425 5385,5740 ; 5600,5425 5600,5740 ; 6060,5310 6060,5740 ; 6305,5315 6305,5740 ; 6500,5320 6500,5745 ; 6765,5315 6765,5745 ; 6925,5320 6925,5740 ; 7100,5325 7100,5730 ; 7290,5320 7290,5735
  text "Z" at 6810,5632.59 h90
  text "B" at 6975,5632.59 h90
  text "A" at 7160,5632.59 h90
  text "M" at 7360,5632.59 h90
  text "DO1 / COM" at 790,5535 h90
  text "DO1 /   C" at 1005,5535 h90
  text "DO1 /   O" at 1190,5535 h90
  text "DO2 / COM" at 1395,5535 h90
  text "DO2 /   C" at 1610,5535 h90
  text "DO2 /   O" at 1795,5535 h90
  text "DO3 / COM" at 1980,5535 h90
  text "DO3 /   C" at 2210,5535 h90
  text "DO3 /   O" at 2415,5535 h90
  text "DO4 / COM" at 2605,5535 h90
  text "DO4 /   C" at 2810,5535 h90
  text "DO4 /   O" at 3015,5535 h90
  text "DO5 / COM" at 3345,5535 h90
  text "DO5 /   C" at 3570,5535 h90
  text "DO5 /   O" at 3755,5535 h90
  text "DO6 / COM" at 3965,5535 h90
  text "DO6 /   C" at 4175,5535 h90
  text "DO6 /   O" at 4350,5535 h90
  text "DO7 / COM" at 4540,5535 h90
  text "DO7 /   C" at 4770,5535 h90
  text "DO7 /   O" at 4995,5535 h90
  text "DO8 / COM" at 5195,5535 h90
  text "DO8 /   C" at 5405,5535 h90
  text "DO8 /   O" at 5635,5535 h90
  text "DO1 / COM" at 6085,5535 h90
  text "DO1 / C" at 6325,5535 h90
  text "编码器 / 公共端" at 6510,5500 h90
  text "GND" at 420,3910 h50
  text "3V3" at 60,3905 h50
  text "5V" at 60,3810 h50
  text "UART4 / TXD" at 400,3700 h50
  text "UART4 / RXD" at 35,3605 h50
  text "ENET1 / RXER" at 400,3595 h50
  text "ENET1 / TXCLK" at 40,3495 h50
  text "RXD0" at 397,3404.08 h60
  text "TXEN" at 40,3385 h60
  text "CRS / DV" at 35,3290 h60
  text "RXD1" at 37,3208.42 h60
  text "AI4" at 7995,3195 h100 r90
  text "AI3" at 7995,3030 h100 r90
  text "AI2" at 7995,2815 h100 r90
  text "AI1" at 7995,2655 h100 r90
  text "UART2 / RTS" at 400,2495 h55
  text "UART2 / CTS" at 30,2490 h55
  text "GND" at 8000,2420 h100 r90
  text "UART2 / TXD" at 390,2390 h55
  text "UART2 / RXD" at 30,2380 h55
  text "AOUT" at 8000,2145 h100 r90
  text "GPIO4" at 40,2010 h50
  text "GPIO2" at 400,2010 h50
  text "GPIO1" at 405,1915 h50
  text "SNVS / TAMP / ER   2" at 45,1875 h50
  text "R1+" at 640,35 h120
  text "R1-" at 835,35 h120
  text "E+" at 1060,35 h120
  text "E-" at 1275,35 h120
  text "R2+" at 1445,35 h120
  text "R2-" at 1675,35 h120
  text "R3+" at 1965,35 h120
  text "R3-" at 2172.12,35 h120
  text "E+" at 2405,35 h120
  text "E-" at 2602.12,35 h120
  text "R4+" at 2772.12,35 h120
  text "R4-" at 2967.12,35 h120
  text "R5+" at 3290,35 h120
  text "R5-" at 3505,35 h120
  text "E+" at 3712.12,35 h120
  text "E-" at 3920,35 h120
  text "R6+" at 4095,35 h120
  text "R6-" at 4315,35 h120
  text "R7+" at 4625,35 h120
  text "R7-" at 4827.12,35 h120
  text "E+" at 5055,35 h120
  text "E-" at 5257.12,35 h120
  text "R8+" at 5425,35 h120
  text "R8-" at 5630,35 h120
  text "DI1" at 5960,35 h120
  text "DI2" at 6170,35 h120
  text "DI3" at 6377.12,35 h120
  text "DI4" at 6585,35 h120
  text "DI5" at 6782.12,35 h120
  text "DI6" at 6977.12,35 h120
  text "DI7" at 7190,35 h120
  text "DI8" at 7385,35 h120
Top Solder:
  lines w50: 829.01,4470.99 785,4515 785,4845 905,4965 920,4965 ; 835,4465 1255,4465 ; 960,4596.97 1098.03,4735 1265,4735 1305,4775 1305,4960 ; 1500,4955 1500,4530 1565,4465 1895,4465 ; 1607.14,4588.74 1868.74,4588.74 1915,4635 1915,4955 ; 2330,4950 2310,4950 2235,4875 2235,4460 2360,4335 ; 2390,4590 2390,4620 2500,4730 2500,4950 ; 2905,4960 2905,4475 3030,4350 ; 3050,4588.74 3050,4905 3105,4960 ; 3675,4960 3675,4480 3810,4345 ; 3820,4588.74 3820,4895 3875,4950 ; 4285,4965 4285,4640 4565,4360 ; 4475,4960 4475,4705 4575,4605 ; 4875,4960 4875,4630 5150,4355 5315,4355 ; 5075,4960 5075,4690 5165,4600 5345,4600 ; 5475,4960 5485,4960 5480,4955 5480,4390 5525,4345 6012.52,4345 ; 5675,4960 5675,4690 5766.26,4598.74 6014.29,4598.74
Bottom Solder:
  lines w50: 960,4345 960,4350 1100,4490 1100,4970 ; 1615,4340 1615,4345 1715,4445 ; 1705,4445 1705,4960 ; 2105,4945 2105,4530 2170,4465 2685,4465 ; 2700,4970 2700,4650 2895,4455 3345,4455 ; 3470.52,4964.48 3470.52,4540 3547.76,4462.76 4120,4462.76 ; 4075,4960 4075,4720 4320,4475 4883.67,4475 ; 4670,4955 4680,4955 5157.24,4477.76 5627.24,4477.76 ; 5280,4970 5280,5070 5310,5100 5515,5100 5580,5035 5580,4675 5775,4480 ; 5782.24,4472.76 6314.28,4472.76

## Text inside footprints (layer, text, board x,y; h text height)
U21: Top Overlay "*" at 3597.5,2076.23 h60 r180